# KiCad board panel.kicad_pcb (continued)
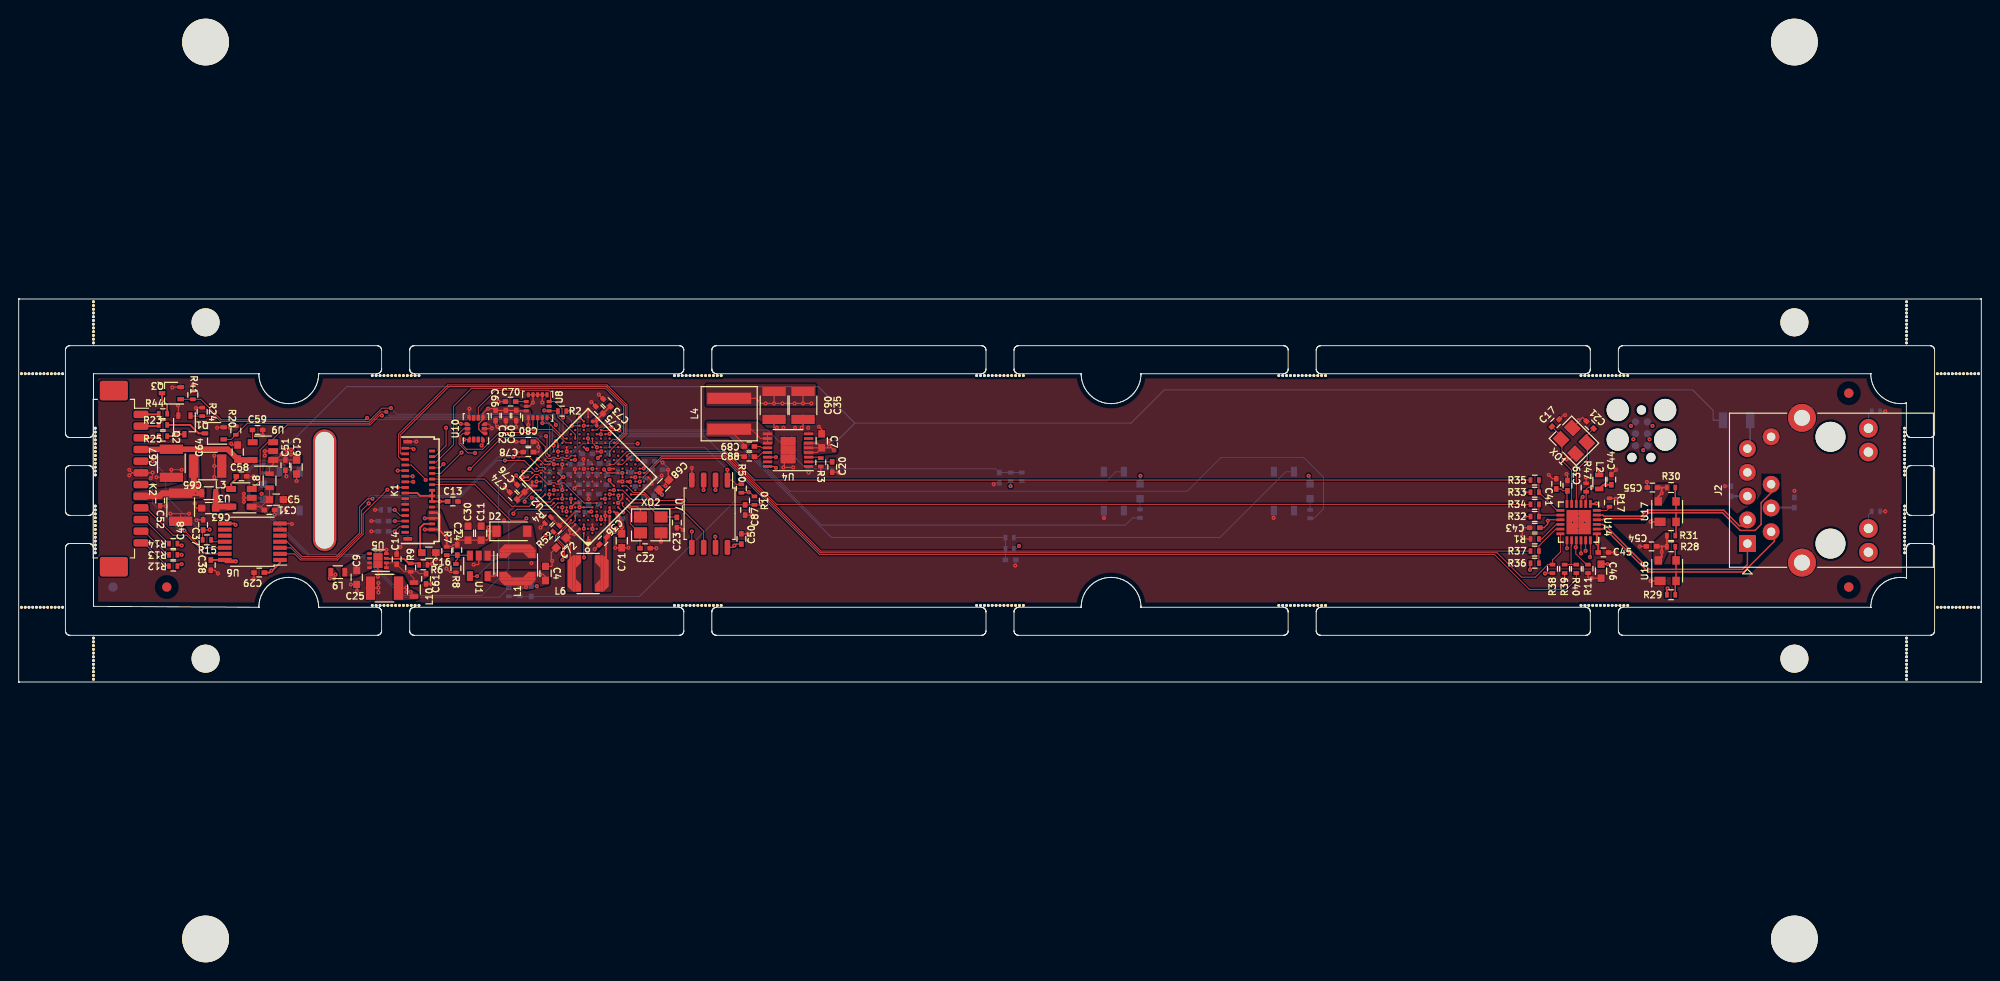
[diagram p0: board, top side]
## Routing (per net, layer and track width the routed paths; a pad name or vN(x,y) marks a point on that pad's centre or on a via; arc(x,y) is an arc through that point) (continued)
Board_0-+5V: length 12.4
  Top w0.6: U9.5 23.54,23.77 C64.1 23.41,23.87 22.36,24.92 C67.2 16.31,24.89 K2.4
Board_0-+12V: length 23.8
  Top w0.125: v1(50.28,16.53) v1(50.28,15.93) ; v1(50.28,15.93) 50.48,16.13 D2.1 ; v1(50.28,15.93) 50.28,15.36 50.1,15.18 C11.1 C30.1 47.1,15.18 46.94,15.02 C24.1 46.5,14.68 46.3,14.48 R7.1 ; v1(42.26,24.93) 42.16,25.03 41.36,25.03 K1.31
  Top w0.2: 45.06,17.53 45.06,16.43 44.96,16.33 ; 45.06,17.53 v1(43.46,17.53) ; 45.06,17.53 45.06,17.83 44.76,18.13 44.24,18.13 ; 44.96,16.33 45.81,15.48 R7.1 ; 44.96,16.33 v1(43.46,16.33)
  POWER.cu w0.125: v1(42.26,24.93) 42.26,23.23 42.96,22.53 42.96,19.63 43.46,19.13 v1(43.46,17.53)
Board_0-+15: length 179.4
  Top w0.091: C19.1 C51.2 U9.1 27.24,23.32 ; 27.24,23.32 26.84,22.92 26.84,22.37 ; 27.24,23.32 27.24,23.46 v1(28.15,24.37)
  Top w0.125: C7.2 85.44,24.57 U4.4 ; C7.2 85.44,25.57 U4.6 ; C7.2 U4.5 ; C7.2 86.59,25.07 v1(86.74,25.22) ; v1(87.24,24.82) 86.74,25.32 v1(86.74,25.82)
  Bottom w0.125: 89.49,27.72 119.04,27.72 122.59,31.27 179.14,31.27 181.34,29.07 181.34,28.02 F1.2 ; 89.49,27.72 85.58,31.63 35.12,31.63 28.15,24.66 v1(28.15,24.37) ; 89.49,27.72 87.59,25.82 v1(86.74,25.82) v1(86.74,25.22) 87.14,24.82 v1(87.24,24.82)
  vias: v1(28.65,24.87) v1(28.65,24.37) v1(29.15,24.87) v1(29.15,24.37)
Board_0-/CIS_ADC_1: length 70.3
  Top w0.091: U2.R3 66.87,22.84 v1(66.9,22.87) ; v1(17.44,14.62) 17.19,14.62 R14.1
  In1.Cu w0.091: v1(17.44,14.62) 30.94,14.62 32.34,13.22 34.12,13.22 35.54,14.64 35.54,21.41 45.95,31.82 63.04,31.82 67.04,27.82 67.04,23.01 v1(66.9,22.87)
  Bottom w0.091: C28.2 66.9,23.53 v1(66.9,22.87)
Board_0-/CIS_ADC_2: length 70.2
  Top w0.091: v1(17.44,13.62) R13.1 ; U2.P3 v1(66.44,22.38)
  In1.Cu w0.091: v1(17.44,13.62) 20.53,13.62 21.03,14.12 30.74,14.12 32.14,12.72 34.35,12.72 36.04,14.41 36.04,21.21 46.05,31.22 62.29,31.22 65.64,27.87 65.64,23.18 v1(66.44,22.38)
  Bottom w0.091: C27.2 67.34,22.72 67,22.38 v1(66.44,22.38)
Board_0-/CIS_ADC_3: length 70
  Top w0.091: v1(17.44,12.62) 17.19,12.62 R12.1 ; U2.N2 66.45,21.46 v1(66.46,21.46)
  In1.Cu w0.091: v1(17.44,12.62) 20.44,12.62 21.44,13.62 30.49,13.62 31.89,12.22 34.55,12.22 36.54,14.21 36.54,21.01 46.15,30.62 61.54,30.62 65.04,27.12 65.04,22.35 65.93,21.46 v1(66.46,21.46)
  Bottom w0.091: v1(66.46,21.46) 66.82,21.82 C26.2
Board_0-/CIS_CP: length 36.1
  Top w0.091: v1(37.86,19.62) 37.35,19.62 36.49,18.76 36.49,15.96 33.96,13.43 30.33,13.43 28.74,15.02 U6.4 ; U2.D13 56.34,22.38 56.05,22.67 55.71,22.67 55.58,22.54 55.26,22.54 54.08,23.72 v1(52.04,23.72)
  Bottom w0.091: v1(37.86,19.62) 38.03,19.8 47.27,19.8 51.19,23.72 v1(52.04,23.72)
Board_0-/CIS_CP_TTL: length 1.6
  Top w0.091: U6.11 20.79,15.02 R15.2
Board_0-/CIS_LED_B: length 46.4
  Top w0.091: v1(55.55,23.87) 55.68,23.87 56.25,23.3 U2.E14 ; v1(37.29,28.27) 37.08,28.06 21.69,28.06 19.48,30.27 R41.2 Q3.1
  Bottom w0.091: v1(37.29,28.27) 37.44,28.12 56.14,28.12 56.8,27.46 56.8,25.12 v1(55.55,23.87)
Board_0-/CIS_LED_G: length 43.6
  Top w0.091: v1(59.17,27.42) 60,27.42 U2.N15 ; Q2.1 18.44,28.47 R24.2 21.03,28.47 21.62,27.88 37.45,27.88 38.88,29.32 v1(39.84,29.32)
  Bottom w0.091: v1(59.17,27.42) 59.17,27.9 58.41,28.66 40.49,28.66 v1(39.84,29.32)
Board_0-/CIS_LED_R: length 40.7
  Top w0.091: 57.72,25.35 57.72,25.55 v1(57.48,25.79) ; 57.72,25.35 57.72,25.34 U2.H15 57.72,25.35 ; Q1.1 22.74,25.97 R20.2 24.47,27.7 37.52,27.7 38.74,28.92 v1(39.34,28.92)
  Bottom w0.091: v1(39.34,28.92) 39.77,28.48 57.07,28.48 57.84,27.71 57.84,26.16 v1(57.48,25.79)
Board_0-/CIS_RS: length 32.5
  Top w0.091: v1(39.46,20.59) 36.86,17.99 36.86,15.81 34.11,13.06 30.18,13.06 29.52,13.72 U6.2 ; U2.B15 54.83,22.51 v1(54,22.51)
  In1.Cu w0.091: v1(54,22.51) 53.97,22.48 53.09,22.48 53.04,22.43 41.36,22.43 39.52,20.59 v1(39.46,20.59)
Board_0-/CIS_RS_TTL: length 11
  Top w0.091: K2.9 13.61,18.64 16.54,15.72 17.98,15.72 19.98,13.72 U6.13
Board_0-/CIS_SP: length 35.7
  Top w0.091: U2.D14 56.21,22.97 55.75,22.97 54.62,24.1 v1(52.91,24.1) ; v1(37.46,19.13) 36.67,18.35 36.67,15.89 34.03,13.25 30.25,13.25 29.13,14.37 U6.3
  Bottom w0.091: v1(37.46,19.13) 37.46,19.74 37.7,19.98 47.2,19.98 51.32,24.1 v1(52.91,24.1)
Board_0-/CIS_SP_TTL: length 12.9
  Top w0.091: K2.7 13.11,21.12 v1(14.34,21.12) ; v1(17.74,16.22) 19.59,14.37 U6.12
  Bottom w0.091: v1(14.34,21.12) 14.34,19.12 17.24,16.22 v1(17.74,16.22)
Board_0-/CIS_VLED_B: length 1.9
  Top w0.2: K2.1 14.91,28.64 R44.1
Board_0-/CIS_VLED_G: length 2
  Top w0.2: R25.1 14.81,26.14 K2.3
Board_0-/CIS_VLED_R: length 2
  Top w0.2: K2.2 14.86,27.39 R23.1
Board_0-/DEBUG_RX: length 142.6
  Top w0.091: 59.56,17.55 59.56,17.32 59.26,17.02 59.07,17.02 57.64,15.58 57.64,15.35 58.42,14.56 58.42,14.49 58.42,13.61 v1(58.6,13.43) ; 59.56,17.55 59.56,17.55 U2.B5 ; 59.56,17.55 59.56,17.78
  In2.Cu w0.091: v1(174.84,27.42) 176.81,27.42 177.73,26.5 177.73,24.61 175.24,22.12 168.69,22.12 166.71,20.14 166.71,19.24 168.52,17.43 168.52,13.22 168.22,12.91 59.11,12.91 v1(58.6,13.43)
  Bottom w0.091: K3.1 174.72,27.42 v1(174.84,27.42)
Board_0-/DEBUG_TX: length 144
  Top w0.091: 59.1,17.32 U2.A5 ; 59.1,17.32 59.1,17.32 ; 59.1,17.32 59.1,17.32 57.44,15.65 57.44,15.29 57.53,15.2 58.24,14.49 58.24,13.68 58.24,13.53 58.24,13.53 58.24,13.31 58.19,13.26 v1(58.19,13.08)
  In1.Cu w0.091: v1(172.54,27.42) 172.92,27.8 175.25,27.8 175.5,27.55 177.2,27.55 178,26.75 178,25.05 175.25,22.3 167.44,22.3 165.82,20.67 165.82,15.83 166.99,14.65 166.99,14.27 166.26,13.53 65.13,13.53 64.58,12.98 58.28,12.98 v1(58.19,13.08)
  Bottom w0.091: K3.2 172.59,27.42 v1(172.54,27.42)
Board_0-/ETH_RST: length 111.2
  Top w0.091: 61.86,17.55 U2.D2 61.86,17.55 61.86,17.55 ; 61.86,17.55 v1(61.86,17.78) ; U14.15 166.69,14.47 v1(166.64,14.42) 166.64,13.72 167.79,12.57 R11.2
  In1.Cu w0.091: v1(166.64,14.42) 166.64,14.26 166.09,13.72 65.14,13.72 61.86,17 v1(61.86,17.78)
Board_0-/FMC_Ax: length 23
  Top w0.091: v1(53.24,22.12) 53.24,22.02 53.7,21.56 54.58,21.56 55.24,22.22 55.58,22.22 56.63,21.17 56.97,21.17 57.13,21.33 57.39,21.33 57.55,21.17 57.9,21.17 58.05,21.32 58.36,21.32 60.51,19.16 U2.F4 ; v1(42.22,21.43) 41.36,21.43 K1.19
  In1.Cu w0.091: v1(42.22,21.43) 43.04,22.25 53.11,22.25 v1(53.24,22.12)
Board_0-/FMC_D0: length 18.6
  Top w0.091: U2.H14 v1(57.72,24.68) ; K1.22 44.24,22.33 45.16,22.33 v1(47.39,24.56)
  In1.Cu w0.091: v1(57.72,24.68) 57.84,24.8 57.84,26.12 56.62,27.33 55.91,27.33 55.29,27.95 50.78,27.95 v1(47.39,24.56)
Board_0-/FMC_D1: length 23.1
  Top w0.091: v1(48.25,22.83) 48.35,22.83 51.67,26.15 55.39,26.15 56.35,25.19 56.35,24.26 56.7,23.92 56.97,23.92 57.12,24.07 57.41,24.07 57.56,23.92 57.87,23.92 58.02,24.07 58.32,24.07 58.47,23.92 58.84,23.92 59.14,24.22 U2.J12 ; 41.36,22.63 41.36,22.63 ; 41.36,22.63 K1.23 ; 41.36,22.63 v1(40.56,22.63)
  In1.Cu w0.091: v1(40.56,22.63) 48.05,22.63 v1(48.25,22.83)
Board_0-/FMC_D2: length 14.8
  Top w0.091: 44.24,22.93 44.24,22.93 ; 44.24,22.93 K1.24 ; 44.24,22.93 45.06,22.93 v1(45.46,23.33) ; v1(57.27,20.54) U2.C10
  In1.Cu w0.091: v1(57.27,20.54) 54.49,23.33 v1(45.46,23.33)
Board_0-/FMC_D3: length 17.5
  Top w0.091: v1(56.8,20.08) 56.8,19.85 ; 56.8,19.85 U2.A10 56.8,19.85 ; K1.25 41.36,23.23 42.01,23.23 43.56,21.68 v1(43.56,21.63)
  In1.Cu w0.091: v1(56.8,20.08) 45.1,20.08 v1(43.56,21.63)
Board_0-/FMC_D4: length 32.2
  Top w0.091: 44.24,23.53 44.24,23.53 ; 44.24,23.53 44.66,23.53 46.54,25.41 46.54,29.52 48.46,31.44 62.8,31.44 64.73,29.51 64.73,26.72 63.98,25.97 63.59,25.97 63.24,25.61 U2.P9 ; 44.24,23.53 K1.26
Board_0-/FMC_D5: length 37.2
  Top w0.091: 63.24,24.47 U2.N8 63.24,24.47 ; 63.24,24.47 63.24,24.72 65.09,26.57 65.09,29.66 62.95,31.8 45.92,31.8 45.59,31.47 40.64,26.52 40.64,24.13 40.94,23.83 41.36,23.83 K1.27
Board_0-/FMC_D6: length 24
  Top w0.091: U2.R11 62.82,26.56 v1(63.23,26.56) ; K1.28 44.28,24.13 44.28,24.13 ; v1(45.74,27.22) 45.74,25.31 44.55,24.13 44.28,24.13 ; 44.28,24.13 44.24,24.13
  In1.Cu w0.091: v1(45.74,27.22) 47.34,28.82 55.24,28.82 55.89,29.47 59.89,29.47 61.3,28.05 61.3,28.04 62.78,26.56 v1(63.23,26.56)
Board_0-/FMC_D7: length 34.1
  Top w0.091: K1.29 40.93,24.43 40.82,24.53 40.82,26.4 46.04,31.62 62.88,31.62 64.91,29.59 64.91,26.65 63.86,25.6 U2.R9
Board_0-/FMC_NEx: length 20.1
  Top w0.091: v1(52.94,18.02) 52.94,18.12 53.31,18.49 57.01,18.49 57.68,19.16 U2.B8 ; v1(40.56,20.83) 41.36,20.83 K1.17
  In1.Cu w0.091: v1(40.56,20.83) 43.37,18.02 52.94,18.02 v1(52.94,18.02)
Board_0-/FMC_NOE: length 20.7
  Top w0.091: v1(42.16,22.03) 41.36,22.03 K1.21 ; 58.18,19.86 U2.C9 58.18,19.86 ; 58.18,19.86 v1(58.18,19.64)
  In1.Cu w0.091: v1(42.16,22.03) 41.86,21.73 41.86,21.13 44.27,18.72 53.94,18.72 54.54,18.12 56.66,18.12 v1(58.18,19.64)
Board_0-/FMC_NWE: length 15
  Top w0.091: 44.24,21.73 49.83,21.73 52.74,18.82 54.64,18.82 55.09,19.27 56.9,19.27 57.26,19.62 U2.B9 ; 44.24,21.73 K1.20 ; 44.24,21.73 44.24,21.73
Board_0-/LED1: length 60.7
  Top w0.091: 60.12,28.26 v1(60.05,28.33) U2.P15 ; 60.12,28.26 U2.P15 ; 60.12,28.26 U2.P15
  Bottom w0.091: R18.2 25.35,23.27 24.73,22.65 24.73,19.99 31.07,13.65 36.87,13.65 41.25,9.27 49.55,9.27 52.45,12.17 52.45,18.24 53.88,19.67 54.47,19.67 54.77,19.37 55.07,19.37 56.24,20.53 56.24,23.06 57.1,23.92 58.45,23.92 59.8,25.27 59.8,27.79 60.05,28.04 v1(60.05,28.33)
Board_0-/LED2: length 62.2
  Top w0.091: v1(64.28,26.93) 62.36,26.93 U2.R12
  Bottom w0.091: R21.2 119.21,17.57 118.44,16.8 85.91,16.8 76.09,26.61 64.59,26.61 v1(64.28,26.93)
Board_0-/LED3: length 89.5
  Top w0.091: v1(62.3,26.52) U2.P12 v1(62.3,26.52)
  Bottom w0.091: v1(62.3,26.52) 62.3,26.87 63.09,27.65 64.06,27.65 64.92,26.8 76.17,26.8 82.55,20.42 125.04,20.42 128.64,24.02 137.54,24.02 139.64,21.92 139.64,18.56 138.6,17.52 R16.2
Board_0-/MEMS_CS: length 25.8
  Top w0.091: 60.48,16.64 U2.B3 60.48,16.64 ; 60.48,16.64 v1(60.48,16.42) ; U10.12 47.34,27.62 v1(47.31,27.64) ; U8.5 56.81,28.29 57.49,27.62 v1(57.49,27.52)
  In1.Cu w0.091: v1(60.48,16.42) 60.48,19.21 59.98,19.71 59.98,25.03 v1(57.49,27.52) 56.69,28.32 47.99,28.32 v1(47.31,27.64)
Board_0-/MEMS_FSYNC: length 25.5
  Top w0.091: 56.94,30.29 56.94,30.02 U8.8 57.38,30.02 58.15,29.25 58.15,28.42 v1(58.26,28.31) ; 56.94,30.29 56.94,30.17 ; 56.94,30.29 56.94,31.02 56.72,31.24 51.06,31.24 49.19,29.37 U10.9 ; 56.12,19.86 U2.A11 56.12,19.86 ; 56.12,19.86 55.98,19.72 v1(54.92,19.72)
  Bottom w0.091: v1(58.26,28.31) 58.26,25.73 56.05,23.51 56.05,20.85 v1(54.92,19.72)
Board_0-/MEMS_INT: length 23.6
  Top w0.091: U2.L14 59.56,26.28 59.56,26.28 ; 59.56,26.28 59.56,26.06 ; 59.56,26.28 59.56,26.51 58.98,27.08 57.7,28.37 R2.1 57.68,29.02 U8.6 56.29,29.02 v1(56.24,29.07) ; v1(49.54,25.32) 49.69,25.47 U10.4
  In1.Cu w0.091: v1(49.54,25.32) 49.13,25.32 47.63,23.82 47.04,23.82 46.44,24.42 46.44,27.52 47.42,28.5 55.67,28.5 v1(56.24,29.07)
Board_0-/MEMS_MISO: length 13.8
  Top w0.091: v1(47.67,25.95) U10.1 ; U2.K15 58.4,26.06 56.94,27.52 56.74,27.72 v1(56.04,27.72) U8.4
  In1.Cu w0.091: v1(47.67,25.95) 49.85,28.13 55.62,28.13 v1(56.04,27.72)
Board_0-/MEMS_MOSI: length 16.6
  Top w0.091: 59.1,25.6 58.56,25.6 57.84,26.32 57.12,27.04 55.54,27.04 ; 55.33,26.83 55.48,26.98 ; 55.33,26.83 55.54,27.04 ; 55.33,26.83 55.22,26.72 51.45,26.72 49.65,24.92 47.94,24.92 47.31,25.54 47.31,26.39 47.54,26.62 U10.14 ; 55.54,27.04 U8.3
Board_0-/MEMS_SCLK: length 25.2
  Top w0.091: U2.A9 57.26,19.16 56.96,18.87 v1(55.56,18.87) ; U10.13 47.64,27.12 47.13,26.61 47.13,25.46 48.08,24.52 v1(48.84,24.52) ; U8.2 55.04,27.1 v1(55.06,27.08)
  In1.Cu w0.091: v1(55.56,18.87) 56.18,18.87 57.64,20.33 57.64,21 55.06,23.58 v1(55.06,27.08) 53.9,27.08 51.34,24.52 v1(48.84,24.52)
Board_0-/OLED_RESET: length 22.6
  Top w0.091: K1.18 44.24,21.13 48.83,21.13 52.64,17.32 54.14,17.32 v1(54.34,17.52) ; v1(60.51,13.34) 60.48,13.37 60.48,15.6 ; 60.48,15.6 U2.A2 60.48,15.6
  In1.Cu w0.091: v1(54.34,17.52) 56.33,17.52 v1(60.51,13.34)
Board_0-/QSPI_CLK: length 12.7
  Top w0.091: U2.K3 64.61,20.54 65.64,19.52 67.21,19.52 68.16,18.57 70.89,18.57 73.3,16.15 U7.6
Board_0-/QSPI_IO0: length 11.7
  Top w0.091: 64.16,19.78 64.16,19.93 v1(64.19,19.97) ; 64.16,19.78 64.16,19.62 ; 64.16,19.78 64.15,19.78 U2.J2 ; U7.5 72.03,16.11 v1(72.03,16.11)
  In1.Cu w0.091: v1(64.19,19.97) 68.19,19.97 72.03,16.12 v1(72.03,16.11)
Board_0-/QSPI_IO1: length 13.1
  Top w0.091: v1(74.57,20.56) 74.57,20.56 U7.2 ; v1(63.7,20.54) U2.J4
  In1.Cu w0.091: v1(63.7,20.54) 68.14,20.54 69.03,21.43 73.69,21.43 v1(74.57,20.56)
Board_0-/QSPI_IO2: length 11.7
  Top w0.091: U7.3 73.3,20.56 v1(73.3,20.56) ; v1(63.25,20.08) U2.J3
  In2.Cu w0.091: v1(73.3,20.56) 64.23,20.56 63.76,20.08 v1(63.25,20.08)
Board_0-/QSPI_IO3: length 13.1
  Top w0.091: U7.7 74.57,15.53 v1(74.54,15.57) ; 64.34,18.52 64.68,18.18 v1(64.69,18.18) ; 64.34,18.52 64.16,18.7 ; 64.34,18.52 64.34,18.52 U2.H1
  In1.Cu w0.091: v1(64.69,18.18) 67.33,18.18 69.94,15.57 v1(74.54,15.57)
Board_0-/QSPI_nCS: length 19.1
  Top w0.091: R50.1 76.79,21.17 76.34,21.62 U7.1 75.84,21.62 v1(75.84,22.72) ; 61.4,25.83 U2.N12 61.4,25.83 ; 61.4,25.83 61.4,25.6 v1(61.88,25.12)
  Bottom w0.091: v1(75.84,22.72) 73.43,25.12 v1(61.88,25.12)
Board_0-/RMII_CRS_DV: length 102.3
  Top w0.091: U2.N6 64.61,23.3 65.59,24.28 75.59,24.28 85.85,14.02 R37.1
Board_0-/RMII_MDC: length 105.2
  Top w0.091: v1(165.69,14.32) U14.13 ; U2.L3 65.05,21 65.79,20.26 66.98,20.26 67.8,19.44 71.11,19.44 v1(71.14,19.42)
  In1.Cu w0.091: v1(165.69,14.32) 165.48,14.12 88.5,14.12 82.75,19.87 71.59,19.87 v1(71.14,19.42)
Board_0-/RMII_MDIO: length 107.5
  Top w0.091: U2.R2 67.04,22.38 68.76,24.1 75.51,24.1 85.77,13.84 158.22,13.84 160.83,11.23 162.3,11.23 163.64,12.57 R38.2 164.14,13.06 164.99,13.91 U14.12
Board_0-/RMII_REF_CLK: length 108
  Top w0.091: R40.2 166.69,10.97 165.64,9.92 161.66,9.92 157.92,13.65 85.7,13.65 75.44,23.92 68.84,23.92 66.84,21.92 U2.P2
Board_0-/RMII_RXD0: length 99.1
  Top w0.091: U2.R6 65.32,24.46 75.66,24.46 81.11,19.02 R34.1
Board_0-/RMII_RXD1: length 100.4
  Top w0.091: U2.M7 63.72,23.3 65.06,24.64 75.74,24.64 78.76,21.62 R35.1
Board_0-/RMII_TX_EN: length 115
  Top w0.091: v1(58.18,18.69) 58.18,18.47 ; 58.18,18.47 U2.A7 58.18,18.47 ; U14.16 v1(167.19,13.77)
  In2.Cu w0.091: v1(167.19,13.77) 166.51,13.09 61.46,13.09 58.18,16.38 v1(58.18,18.69)
Board_0-/RMII_TXD0: length 112.6
  Top w0.091: v1(58.62,18.26) 58.62,18.69 58.63,18.69 ; v1(167.69,14.04) U14.17 ; 58.63,18.69 U2.B7 58.63,18.69
  In2.Cu w0.091: v1(58.62,18.26) 59.96,16.92 161.57,16.92 163.47,15.02 166.98,15.02 167.69,14.31 v1(167.69,14.04)
Board_0-/RMII_TXD1: length 114.6
  Top w0.091: v1(168.16,13.37) 168.19,13.39 U14.18 ; v1(59.1,19.61) 59.1,19.39 ; 59.1,19.39 59.1,19.16 59.1,19.39
  In2.Cu w0.091: v1(59.1,19.61) 60.04,19.61 60.91,18.74 64.73,18.74 66.38,17.1 161.65,17.1 163.55,15.2 167.06,15.2 168.16,14.1 v1(168.16,13.37)
Board_0-/RST: length 121.8
  Top w0.091: v1(79.44,19.02) 79.39,18.97 R10.1 C87.2 68.02,18.97 66.9,20.08 U2.L1
  In1.Cu w0.091: v1(79.44,19.02) 84.54,13.92 165.84,13.92 166.14,14.22 166.14,15.25 165.64,15.75 165.64,20.75 169.11,24.22 171.71,24.22 173.47,25.97 v1(174.52,25.97)
  Bottom w0.091: K3.3 174.52,26.35 v1(174.52,25.97)
Board_0-/RX_N: length 26.3
  Top w0.15: U14.22 169.52,17.37 169.64,17.48 173.79,17.48 174.43,18.12 177.33,18.12 ; 177.33,18.12 182.34,18.12 182.89,17.57 183.19,17.26 184.23,16.23 185.82,16.23 186.47,16.88 186.47,19.19 187.89,20.61 187.89,21.15 ; 177.33,18.12 177.36,18.09 U17.2 177.36,15.76 R31.2
Board_0-/RX_P: length 20.2
  Top w0.15: R30.2 177.28,19.42 U17.3 177.36,18.4 ; 177.36,18.4 177.35,18.39 174.31,18.39 173.67,17.76 169.64,17.76 169.52,17.87 U14.23 ; 177.36,18.4 177.37,18.39 182.46,18.39 184.14,16.72 184.72,16.72 185.35,17.34
Board_0-/SW_1: length 49.7
  Top w0.091: U2.P14 v1(60.48,27.44)
  Bottom w0.091: R26.1 R42.2 C53.1 104.55,22.82 84.3,22.82 80.14,26.98 65,26.98 64.14,27.84 63.01,27.84 62.61,27.44 v1(60.48,27.44)
Board_0-/SW_2: length 51.7
  Top w0.091: U2.P13 61.9,26.98 62.21,27.29 v1(63.46,27.29)
  Bottom w0.091: v1(63.46,27.29) 63.46,27.22 64.26,26.43 76.02,26.43 86.98,15.47 R27.1 R43.2 C56.1
Board_0-/SW_3: length 50
  Top w0.091: v1(60.92,26.08) 60.94,26.06 U2.M12
  Bottom w0.091: R19.1 R22.2 C42.1 66.45,9.17 76.65,19.37 76.65,23.07 73.47,26.25 64.27,26.25 63.73,25.71 61.29,25.71 v1(60.92,26.08)
Board_0-/SWD-CLK: length 127.5
  Top w0.091: v1(54.15,19.32) 54.15,19.52 55.17,20.54 U2.A12
  In2.Cu w0.091: v1(66.24,25.52) 82.53,25.52 83.74,24.32 171.64,24.32 172.79,25.47 v1(172.79,25.97)
  Bottom w0.091: v1(54.15,19.32) 54.3,19.17 55.35,19.17 56.42,20.24 56.42,22.95 57.21,23.74 58.52,23.74 60.3,25.52 v1(66.24,25.52) ; v1(172.79,25.97) 172.79,26.35 K3.4
Board_0-/SWD-IO: length 122
  Top w0.091: v1(55.42,21.46) U2.B13
  In2.Cu w0.091: v1(173.84,24.82) 173.84,23.72 173.34,23.22 165.65,23.22 164.15,21.72 67.28,21.72 66.56,21 60.15,21 59.69,21.46 v1(55.42,21.46)
  Bottom w0.091: v1(173.84,24.82) 173.84,24.85 K3.5
Board_0-/TX_N: length 25.8
  Top w0.15: 187.89,16.07 187.89,15.07 184.6,11.78 177.37,11.78 ; U14.20 169.52,16.37 169.64,16.48 169.68,16.48 174.38,11.78 177.37,11.78 ; 177.37,11.78 177.36,11.77 U16.2 177.28,10.73 R29.2
Board_0-/TX_P: length 23.1
  Top w0.15: J2.1 185,12.57 184.48,12.06 177.34,12.06 ; U14.21 169.53,16.87 169.64,16.76 169.8,16.76 174.5,12.06 177.39,12.06 177.36,12.09 U16.3 177.28,13.1 R28.2
Board_0-AVDD: length 23.6
  Top w0.2: 18.84,20.22 v1(18.94,20.22) L3.1 ; 18.84,20.22 C48.2 17.09,19.97 C52.1 15.04,19.97 14.96,19.89 K2.8 ; 18.84,20.22 18.74,20.32 C65.2 ; U6.14 C38.1
  Top w0.4: v1(18.44,21.12) 18.54,21.02 v1(19.14,21.02) 18.94,20.82 v1(18.94,20.22) ; U6.14 22.21,12.92 v1(23.24,12.92)
  Top w0.6: v1(18.94,20.22) C48.2 15.39,20.22 C52.1 15.06,19.89 K2.8 ; v1(18.94,20.22) L3.1 ; v1(18.94,20.22) 18.74,20.42 C65.2
  vias: v1(33.3,11.1) v1(33.75,11.1) v1(33.9,11.5)
Board_0-GND: length 129.5
  Top w0.091: 12.16,22.39 v1(11.84,22.72) ; 12.16,22.39 K2.6 ; 12.16,22.39 12.11,22.39 v1(11.84,22.12) ; C19.2 v1(29.74,21.52) ; 41.64,25.73 42.54,25.73 v1(42.55,25.74) ; v1(29,19.55) 28.97,19.52 C5.2 ; v1(20.94,23.12) v1(20.94,24.22) ; v1(20.94,23.12) C65.1 ; v1(20.94,23.12) v1(20.94,21.92) ; C58.2 v1(25.14,22.02) ; C52.2 15.69,18.87 v1(15.74,18.82) ; v1(17.44,22.72) v1(16.34,22.72) C67.1 v1(14.74,21.92) ; U3.2 v1(24.1,19.72) ; v1(24.1,19.72) v1(24.1,20.15) ; v1(24.1,19.72) v1(24.1,19.3) ; C31.1 27.4,18.4 v1(27.4,17.92) ; C64.2 22.89,25.37 v1(22.75,25.5) ; v1(16.24,18.02) 17.34,18.02 ; 17.34,18.02 v1(18.24,18.02) ; 17.34,18.02 C48.1 ; U10.7 50.3,27.62 50.64,27.28 v1(50.64,27.15) 50.6,27.12 U10.6 ; C51.1 28.54,22.02 ; C87.1 78.39,17.87 v1(78.44,17.92) ; v1(26.34,24.72) U9.2 26.34,24.72 v1(26.34,24.24) ; v1(14.34,22.42) 14.34,22.02 v1(14.14,21.82)
  Top w0.125: v1(167.71,21.89) 167.74,21.87 R47.1 ; v1(165.49,28.57) 165.3,28.57 C17.2 ; v1(83.79,27.22) 83.94,27.37 C35.1 ; U4.17 U4.17 U4.17 U4.17 U4.17 U4.17 81.94,23.07 v1(81.84,22.97) v1(82.89,22.97) ; Q1.2 21.29,27.27 v1(21.24,27.22) ; U8.10 v1(56.04,29.92) ; U8.10 U8.9 ; U8.10 U8.11 U8.12 ; v1(35.55,10.45) C9.1 36.2,10.42 v1(36.2,9.75) ; 43.75,12.65 v1(44.25,12.65) ; C39.2 165.74,22.17 v1(165.64,22.27) ; v1(174.24,21.42) 174.28,21.37 C55.2 ; C72.1 57,13.85 57,13.06 v1(57.09,12.97) 57.09,12.46 57.01,12.38 C4.1 ; v1(81.14,27.22) 80.85,27.22 80.84,27.23 C90.1 ; U8.12 U8.13 ; U8.12 v1(55.04,29.92) 54.64,29.52 U8.15 ; C76.2 v1(52.84,21.62) ; v1(14.34,22.42) 14.31,22.39 K2.6 ; v1(85.84,22.27) R3.2 ; v1(65.32,18.77) 66.18,18.77 66.54,18.42 XO2.4 ; v1(174.63,17.17) 174.66,17.14 U17.1 ; 84.49,26.62 U4.8 ; C66.2 51.04,27.52 v1(51.24,27.32) ; v1(25.14,11.02) 25.19,11.07 C29.2 ; U2.C2 v1(61.4,16.39) ; v1(48.24,29.25) 48.19,29.2 U10.11 ; v1(59.11,18.7) 59.57,19.16 U2.D6 ; C61.1 v1(44.15,10.5) ; C78.2 v1(53.24,24.62) ; v1(40.85,14.45) 40.45,14.05 C14.2 ; U2.F12 58.18,23.29 v1(58.18,23.29) ; v1(71.08,16.28) 70.84,16.52 C23.1 ; XO1.4 166.94,27.87 v1(166.94,28.02) 167.05,28.02 167.36,28.33 C21.2 ; v1(45.78,12.13) 46.18,11.73 46.68,11.73 ; C80.2 v1(53.24,25.72) ; v1(65.99,21.92) 65.98,21.92 U2.N3 ; v1(69.21,21) 69.21,21.29 69.5,21.58 v1(69.5,22.72) ; v1(58.18,20.55) 58.18,20.55 U2.D10 ; 56.13,16.81 R4.2 56.13,16.81 ; 56.13,16.81 v1(55.84,16.52) ; v1(53.24,27.32) C60.1 ; C41.1 164.14,21.77 v1(163.74,22.17) ; Q3.2 16.49,31.57 v1(16.44,31.52) ; C54.2 v1(173.48,14.52) ; 59.56,22.38 59.56,22.76 v1(59.53,22.79) ; v1(65.25,14.37) C71.1 v1(63.85,14.37) ; U2.F8 59.74,21 v1(59.47,20.73) ; v1(22.64,27.22) 22.79,27.37 R20.1 ; U2.F6 60.94,19.63 v1(60.99,19.58) ; v1(38.5,10.1) 38.45,10.05 C25.1 ; v1(38.5,10.1) v1(38.5,9.6) ; v1(38.5,10.1) v1(38.5,10.6) ; v1(170.78,13.86) 170.77,13.87 C45.2 ; C43.2 160.92,16.52 160.91,16.53 v1(160.91,15.56) 161.15,15.32 R1.2 ; R11.1 167.94,11.22 168.04,11.12 168.34,11.12 v1(168.34,11.12) C46.2 ; U2.J14 58.64,24.68 v1(58.66,24.66) ; v1(170.94,19.62) 170.89,19.67 R17.1 ; v1(85.64,27.32) 85.94,27.02 C7.1 ; U2.E1 62.78,17.78 v1(62.79,17.79) 62.78,17.8 U2.F2 ; C38.2 20.99,11.97 v1(21.34,11.62) ; U2.R1 67.72,21.57 v1(67.72,21.23) ; U1.2 49.24,12.62 49.19,12.57 v1(48.69,12.57) ; C75.2 61.52,29.74 61.52,29.74 v1(61.29,29.97) ; U2.K2 64.61,19.65 v1(64.15,19.18) ; U6.7 29.19,16.97 v1(29.24,16.92) ; v1(76.89,24.27) 77.5,24.27 C88.1 ; U2.A15 54.5,21.92 v1(53.94,21.92) ; v1(60.94,29.17) U2.R15 ; 52.32,20.54 52.32,20.54 C74.2 52.32,20.54 ; 52.32,20.54 v1(52.04,20.82) ; v1(51.34,30.02) C70.1 ; U5.9 38.45,13.6 ; U2.M10 61.87,24.67 v1(62.33,24.67) ; U16.1 v1(174.63,10.82) ; 166.61,24.44 166.02,23.84 v1(165.65,23.84) ; v1(61.02,15.1) 60.94,15.19 U2.A1 ; R41.1 v1(18.64,31.82) ; v1(60.44,23.85) 60.48,23.81 U2.J10 ; v1(38.43,11.28) 38.45,11.3 U5.9 ; v1(38.2,14.1) v1(38.7,14.1) ; v1(19.04,17.32) 19.09,17.37 C37.1 ; v1(68.24,14.32) C22.2 ; v1(39.35,14.15) U5.4 ; v1(87.76,22.43) 87.72,22.47 C20.1 ; v1(52.14,27.32) C62.2 ; R24.1 19,29.37 v1(18.97,29.33) ; v1(72.04,22.92) 72.03,22.91 U7.4 ; v1(44.65,13.15) 44.65,13.15 C16.2 ; v1(170.94,22.72) 170.44,22.22 C44.2 ; v1(63.21,22.79) 63.26,22.84 63.7,22.84 ; Q2.2 17.09,29.57 v1(17.04,29.62) ; C63.2 19.04,18.62 18.84,18.82 v1(18.84,19.12) ; v1(26.12,26.42) C59.2 ; C73.2 v1(62.09,30.77) ; v1(68.74,15.02) XO2.2 ; C50.2 v1(78.04,15.87) ; C36.2 v1(61.64,14.22)
  Top w0.2: v1(64.6,21.46) 64.16,21.46 64.16,21.46
  Bottom w0.091: v1(116.14,17.57) 116.14,18.34 SW1.2 ; 68.78,23.62 v1(68.91,23.49) ; C42.2 v1(55.45,10.27) ; C53.2 104.5,21.32 v1(104.35,21.17) ; v1(106.65,12.47) 106.7,12.52 C56.2 ; C26.1 68.72,21.82 68.8,21.9 v1(68.8,22.1) ; SW3.2 28.5,18.35 v1(28.55,18.4) ; v1(134.3,17.57) 134.32,17.59 SW2.2 ; R49.2 v1(199.75,28.97) ; R48.2 v1(199.75,18.27)
  Bottom w0.125: C27.1 v1(69.5,22.72) 69.5,22.9 68.78,23.62 C28.1 ; v1(58.18,20.55) 57.94,20.79 C79.2 ; C83.1 67.99,20.64 68.35,21 v1(69.21,21) ; v1(67.72,21.23) 67.4,20.92 C84.2 66.99,20.92 ; 116.14,17.62 116.16,17.64 ; 134.14,17.62 134.16,17.64 ; C47.2 v1(182.59,20.97) ; v1(60.99,19.58) C6.2
  Bottom w0.2: C15.2 v1(37.74,17.23) ; C18.2 v1(37.74,16.13) ; R5.1 v1(38.14,18.43)
  vias: v1(28.65,22.02) v1(51.94,17.32) v1(54.88,12.73) v1(60.49,22.82) v1(81.84,27.22) v1(83.09,27.22) v1(84.49,27.22) v1(84.54,22.42) v1(166.29,17.09) v1(166.94,17.77) v1(166.91,16.47) v1(167.59,17.09) v1(190.04,20.47)
Board_0-Net-(C14-Pad1): length 6.5
  Top w0.091: R9.1 41.25,11.8 C14.1 40.3,12.75 U5.2 U5.1 ; R9.1 42.65,11.8 42.85,11.6 C61.2 ; R9.1 41.95,11.45 42.3,11.1 L10.2
Board_0-Net-(C89-Pad2): length 8
  Top w0.091: U4.10 U4.11 ; U4.10 79.39,26.07 78.39,27.06 L4.1 77.64,25.46 C89.2 ; U4.10 U4.9
Board_0-Net-(D1-K): length 1.2
  Bottom w0.091: D1.1 R16.1
Board_0-Net-(D2-A): length 1.7
  Top w0.091: L1.2 51.78,13.53 U1.1
Board_0-Net-(D3-K): length 1.2
  Bottom w0.091: D3.1 R18.1
Board_0-Net-(D4-K): length 1.1
  Bottom w0.091: R21.1 D4.1
Board_0-Net-(J2-LLED+): length 36.7
  Top w0.091: U14.3 167.19,19.63 v1(167.37,19.82)
  In2.Cu w0.091: J2.11 197.95,13.56 195.11,10.72 176.47,10.72 v1(167.37,19.82)
Board_0-Net-(J2-LLED-): length 2
  Bottom w0.091: J2.12 197.95,17.92 R48.1
Board_0-Net-(J2-RLED+): length 33.6
  Top w0.091: v1(168.34,20.82) 168.29,20.86 167.98,20.86 167.74,20.62 R47.2 167.74,19.12 U14.2
  In2.Cu w0.091: J2.13 197.01,23.68 178.5,23.68 175.54,20.72 168.44,20.72 v1(168.34,20.82)
Board_0-Net-(J2-RLED-): length 2
  Bottom w0.091: J2.14 197.95,28.62 R49.1
Board_0-Net-(J2-V+): length 3.1
  Bottom w0.2: F1.1 185.29,25.02 185.35,24.96
Board_0-Net-(K1-IREF): length 1.9
  Top w0.091: 41.36,17.83 K1.7 ; 41.36,17.83 40.84,17.83 v1(40.24,18.43) ; 41.36,17.83 41.36,17.83
  Bottom w0.2: v1(40.24,18.43) R5.2
Board_0-Net-(K1-VCOMH): length 4.2
  Top w0.091: 44.23,16.93 K1.4
  Top w0.2: C16.1 42.97,14.03 42.97,16.53 43.36,16.93 44.24,16.93
Board_0-Net-(K1-VLOGIC): length 1.8
  Top w0.091: 41.36,17.23 41.36,17.23 ; 41.36,17.23 v1(40.26,17.23) ; 41.36,17.23 K1.5
  Bottom w0.091: v1(40.26,17.23) C15.1
Board_0-Net-(K1-VP): length 2
  Top w0.091: 41.36,16.63 K1.3 ; 41.36,16.63 41.36,16.63 ; 41.36,16.63 40.74,16.63 v1(40.24,16.13)
  Bottom w0.2: v1(40.24,16.13) C18.1
Board_0-Net-(K2-Pin_5): length 13.5
  Top w0.091: v1(14.34,23.62) 13.11,23.62 K2.5 ; v1(20.44,16.32) 20.39,16.27 C37.2 19.69,16.22 R15.1
  Bottom w0.091: v1(14.34,23.62) 15.74,22.22 15.74,19.9 19.32,16.32 v1(20.44,16.32)
Board_0-Net-(K2-Pin_10): length 4.1
  Top w0.091: R14.2 16.04,14.82 13.46,17.39 K2.10
Board_0-Net-(K2-Pin_11): length 4
  Top w0.091: K2.11 13.41,16.14 15.94,13.62 R13.2
Board_0-Net-(K2-Pin_12): length 4
  Top w0.091: K2.12 13.41,14.89 15.89,12.42 R12.2
Board_0-Net-(Q1-D): length 4.4
  Top w0.2: R23.2 18.35,27.52 19.25,26.62 Q1.3
Board_0-Net-(Q2-D): length 1.9
  Top w0.2: R25.2 16.54,26.32 16.73,26.52 Q2.3
Board_0-Net-(Q3-D): length 2.4
  Top w0.2: Q3.3 15.34,30.22 15.89,29.67 R44.2
Board_0-Net-(R19-Pad2): length 42
  Bottom w0.091: SW3.3 29.11,22.5 27.94,23.67 25.49,23.67 24.55,22.72 24.55,19.91 30.99,13.47 36.75,13.47 41.13,9.09 51.47,9.09 R19.2
Board_0-Net-(R26-Pad2): length 11.3
  Bottom w0.091: R26.2 116.44,21.52 117.43,22.5 SW1.3
Board_0-Net-(R27-Pad2): length 32.9
  Bottom w0.091: SW2.3 135.58,22.5 128.55,15.47 R27.2
Board_0-Net-(U1-FB): length 3.5
  Top w0.091: C24.2 46.94,13.12 46.79,12.97 R8.1 ; C24.2 R7.2 ; C24.2 48.24,13.58 U1.3
Board_0-Net-(U2-BOOT0): length 4.3
  Top w0.091: R52.2 58.05,16.93 ; R52.2 58.05,16.93 ; R52.2 R4.1 ; 58.05,16.93 58.24,17.12 58.43,17.12 59.55,18.24 U2.C5
Board_0-Net-(U2-PDR_ON): length 1.1
  Top w0.091: U2.D4 60.94,18.25 v1(61.27,18.25)
  Bottom w0.2: v1(61.27,18.25) 61.14,18.12 R53.2
Board_0-Net-(U2-PH0): length 5.9
  Top w0.091: 64.61,18.97 64.61,18.88 65.45,18.05 65.45,16.95 66.43,15.97 XO2.1 66.49,15.92 C22.1 ; 64.61,18.97 U2.J1 64.61,18.97
Board_0-Net-(U2-PH1): length 6.6
  Top w0.091: 65.3,19.39 65.53,19.17 67.09,19.17 68.59,17.67 XO2.3 70.39,17.67 ; 65.3,19.39 U2.K1 65.3,19.39 ; 70.39,17.67 C23.2 ; 70.39,17.67 70.44,17.67
Board_0-Net-(U2-VDDA): length 0.5
  Top w0.091: 64.6,21.93 U2.M4 64.6,21.93 ; 64.6,21.93 64.6,22.37 v1(64.6,22.38)
Board_0-Net-(U2-VDDSMPS): length 4.5
  Top w0.125: U2.G1 63.79,18.15 63.91,18.15 v1(64.04,18.02)
  Top w0.2: C71.2 64.54,16.55 v1(64.55,16.56) 64.3,16.81 64.3,17.76 v1(64.04,18.02)
  Bottom w0.2: v1(64.04,18.02) 64.44,17.62 L5.1 64.44,16.67 v1(64.55,16.56)
Board_0-Net-(U2-VFBSMPS): length 14.8
  Top w0.125: L6.1 59.02,14.99 C72.2 ; 59.56,16.84 U2.A4 58.99,16.29 v1(58.99,16.27) 58.99,15.84 C72.2 ; U2.A3 59.44,15.82 v1(59.44,15.82) 58.97,15.82 C72.2
  Top w0.2: 54.96,21.46 54.96,21.14 54.82,21 ; 54.82,21 54.15,20.33 C76.1 C74.1 ; 54.82,21 U2.A13 ; C73.1 C75.1 61.86,28.06 ; U2.R13 61.86,28.04 v1(61.92,28.1) 61.71,27.9 U2.R14 ; U2.G2 63.24,18.7 v1(63.24,18.22) ; 59.56,16.86 59.56,16.84 ; U2.A3 60.02,16.4
  Top w0.4: U2.R14 61.42,27.9
  vias: v1(54.74,20.92)
Board_0-Net-(U2-VLXSMPS): length 8.7
  Top w0.091: U2.F1 63.24,17.73 63.22,17.72 63.22,15.8 C36.1
  Top w0.2: U2.F1 63.24,15.82 C36.1 62.86,15.44 L6.2
Board_0-Net-(U3-BPASS): length 1.6
  Top w0.2: U3.4 22.74,21.22 23.29,21.77 C58.1
Board_0-Net-(U3-Vin): length 4
  Top w0.091: 25.94,18.77 C31.2 ; 25.94,18.77 26.69,19.52 C5.1 26.84,19.54 26.84,20.87 ; 25.94,18.77 U3.1
Board_0-Net-(U3-Vout): length 3.3
  Top w0.6: U3.5 21.24,18.77 C63.1 L3.2
Board_0-Net-(U4-BST): length 1.5
  Top w0.091: C89.1 79.36,25.22 79.51,25.07 U4.12
Board_0-Net-(U4-INTVcc): length 1.6
  Top w0.091: U4.13 79.6,24.57 79.16,24.13 C88.2
Board_0-Net-(U4-RT): length 1.3
  Top w0.091: U4.3 85.74,24.07 R3.1
Board_0-Net-(U4-TR/SS): length 2.5
  Top w0.091: U4.2 C20.2
Board_0-Net-(U5-ADJ): length 3.7
  Top w0.2: U5.3 39.4,13.2 41.25,13.2 41.75,12.7 R9.2 42.8,12.7 42.85,12.65
Board_0-Net-(U8-REGOUT): length 1.1
  Top w0.091: U8.14 C70.2
Board_0-Net-(U9-BPASS): length 1.3
  Top w0.091: U9.4 25.04,26.97 C59.1
Board_0-Net-(U14-CRS_DV/MODE2): length 4.9
  Top w0.091: U14.11 164.49,16.37 162.69,14.57 R37.2 R36.2
Board_0-Net-(U14-nINT/REFCLKO): length 3.9
  Top w0.091: 166.13,12.57 166.13,14.54 166.19,14.61 U14.14 ; 166.13,12.57 R39.2 ; 166.13,12.57 R40.1
Board_0-Net-(U14-RBIAS): length 1.6
  Top w0.091: U14.24 169.94,18.37 170.24,18.67 R17.2
Board_0-Net-(U14-RXD0/MODE0): length 3.7
  Top w0.091: R34.2 R32.2 162.84,17.87 U14.8
Board_0-Net-(U14-RXD1/MODE1): length 4.4
  Top w0.091: R35.2 R33.2 164.64,18.37 U14.7
Board_0-Net-(U14-RXER/PHYAD0): length 2.9
  Top w0.091: R1.1 162.99,15.32 164.54,16.87 U14.10
Board_0-Net-(U14-VDD1A): length 59.2
  Top w0.091: 168.89,13.72 168.89,14.02 C45.1 ; v1(169.84,21.12) 169.59,21.12 ; C54.1 176.34,14.52 ; R30.1 C55.1
  Top w0.2: U14.1 168.79,19.07 v1(168.84,19.12) ; U17.4 175.46,19.85 v1(175.83,20.22) 175.83,20.82 ; U14.19 168.89,14.87 v1(168.94,14.82) 169.04,14.72 C45.1 ; C55.1 175.83,20.82 ; 175.83,20.82 R30.1 ; U16.4 175.83,13.39 v1(175.83,13.92) 175.83,14.52 ; 175.83,14.52 176.34,14.52 R28.1 R31.1 ; 175.83,14.52 C54.1 ; v1(169.84,21.12) C44.1 ; L2.2 169.59,21.12 ; C46.1 v1(170.04,12.62) ; R29.1 176.38,9.95 v1(176.46,10.03)
  In1.Cu w0.2: J2.4 186.27,18.63 J2.5 178.16,19.9 177.84,20.22 v1(175.83,20.22) 172.44,20.22 171.54,21.12 v1(169.84,21.12) 169.84,20.82 168.84,19.82 v1(168.84,19.12) 168.84,14.92 v1(168.94,14.82) 168.94,13.72 v1(170.04,12.62) 174.47,12.62 ; v1(175.83,13.92) 175.77,13.92 174.47,12.62 ; 174.47,12.62 176.46,10.63 v1(176.46,10.03)
  Bottom w0.2: 185.35,19.88 183.25,19.88 C47.1 184.97,19.87 J2.5 ; 187.94,18.67 C49.1 ; 187.94,18.67 187.89,18.61 ; 187.94,18.67 187.58,18.67 J2.4
Board_0-Net-(U14-VDDCR): length 2.7
  Top w0.091: C41.2 165.05,20.67 165.25,20.47 165.69,20.47 ; 165.69,20.47 C39.1 ; 165.69,20.47 U14.6
Board_0-Net-(U14-XTAL1/CLKIN): length 9.3
  Top w0.091: C17.1 165.06,26.35 165.06,26.17 ; 165.06,26.17 XO1.1 ; 165.06,26.17 XO1.1 ; XO1.1 165.16,25.9 165.16,23.7 166.19,22.67 U14.5
Board_0-Net-(U14-XTAL2): length 8.9
  Top w0.091: U14.4 166.69,22.66 167.86,23.83 167.86,25.6 167.82,25.64 167.82,26.41 C21.1
Board_0-VERF+: length 3
  Top w0.091: L10.1 42.3,9.3 v1(41.95,9.65) v1(41.5,9.65) ; v1(41.5,10.1) 41.45,10.05 C25.2
  Top w0.2: U2.M3 65.4,21.46 v1(65.43,21.44)
  Top w0.4: v1(68.85,20.05) 68.52,20.38 C68.2

## Copper pours and planes (outline as drawn; the poured copper is in the pictures)
Board_0-+3.3V on Top: 53.54,28.62 50.74,28.62 49.84,27.92 49.44,27.92 49.44,28.62 50.04,29.52 53.44,29.52 53.74,29.22 54.64,29.22 54.84,29.02 54.84,27.42 54.44,27.22
Board_0-+3.3V on Top: 73.54,31.92 85.34,31.92 85.34,29.52 73.54,29.52
Board_0-+3.3V on Top: 56.78,11.93 56.78,10.43 54.35,9.87 51.84,10.32 49.84,10.82 49.84,11.93
Board_0-+3.3V on Top: 55.54,24.32 54.74,24.32 54.74,26.02 55.54,26.02 56.54,23.72 56.34,23.52
Board_0-+3.3V on Bottom: 64.94,24.32 66.24,24.32 66.54,23.82 66.34,23.52 64.94,23.72
Board_0-+3.3V on Bottom: 63.6,15.85 63.5,16.05 63.75,16.65 64,16.7 64.4,16.25 65.05,16.25 64.9,15.65 64,15.65
Board_0-+3.3V on Bottom: 59.34,18.52 59.64,18.82 59.64,19.62 60.44,19.62 60.64,19.32 61.24,19.32 62.54,18.42 62.54,18.02 61.84,18.02 61.34,18.52 60.34,18.52 59.94,17.72 59.34,17.72
Board_0-+3.3V on Bottom: 58.54,21.62 56.54,22.12 56.54,23.12 57.34,23.62 57.94,23.02 58.34,23.02 58.64,23.62 59.94,24.72 60.94,25.22 61.14,24.92 60.54,24.12 60.04,24.02 59.44,23.52 59.24,23.02 59.24,20.82 58.54,20.82
Board_0-+3.3V on Bottom: 61.74,19.92 61.74,20.42 62.54,21.42 62.54,21.92 62.25,22.56 61.32,22.55 61.2,21.95 60.67,21.95 60.67,22.62 61.74,23.32 61.74,24.02 61.84,24.22 62.24,24.22 63.04,22.62 63.44,22.42 63.44,21.12 62.94,20.42 62.94,19.42 62.64,19.42
Board_0-+12V on Top: 51.68,16.83 51.68,15.68 49.08,14.23 45.46,14.23 44.76,16.03 43.76,16.03 43.76,16.62 44.76,16.62 44.75,17.22 43.75,17.23 43.76,18.42 45.14,18.42 46.06,16.23 49.78,16.23 49.78,16.83
Board_0-+12V on POWER.cu: 43.14,17.82 42.34,21.32 41.84,25.22 42.54,25.32 43.24,21.52 44.71,17.28 50.71,16.78 50.71,15.57 44.24,16.02 43.14,16.02
Board_0-+15 on Top: 83.94,25.82 85.24,25.82 86.44,26.12 87.04,26.12 87.54,25.12 87.64,24.52 85.04,24.32 83.94,24.32
Board_0-+15 on Top: 30.24,23.32 28.74,23.32 28.24,22.92 28.24,22.22 27.84,21.92 26.34,22.1 26.34,22.62 26.74,24.12 27.75,24.37 28.55,25.17 29.25,25.17 30.24,24.22
Board_0-+15 on Bottom: 27.75,24.37 30.24,28.72 34.14,33.02 178.64,33.02 182.96,29.13 182.96,26.83 181.14,26.83 176.64,30.52 124.14,30.02 118.14,24.22 86.14,24.22 86.14,27.22 84.94,30.52 37.05,30.52 35.85,30.27 34.95,29.77 32.05,27.17 29.35,23.97 28.05,24.07
Board_0-AVDD on Top: 33.1,12.25 33.65,12.25 34.15,11.55 34,11 33.8,10.85 33.1,10.85
Board_0-AVDD on Top: 19.44,21.22 19.94,20.72 19.94,19.72 19.84,19.62 13.84,19.42 12.24,19.42 12.24,20.42 16.04,20.82 18.14,21.42 18.14,24.42 19.34,24.42
Board_0-AVDD on Bottom: 23.25,16.37 30.95,13.27 34.2,11.6 33.9,10.9 33.4,10.8 31.35,11.6 29.35,12.07 23.14,12.62 18.04,20.92 18.14,21.42 19.34,21.42
Board_0-Net-(C14-Pad1) on Top: 39.05,12.9 40.7,12.9 41.65,12.35 43.85,11.9 43.85,11.3 42.75,10.4 41.85,10.4 41.3,11.5 39.05,12.1
Board_0-Net-(C89-Pad2) on Top: 76.04,26.22 73.54,26.22 73.54,27.92 79.14,27.92 80.04,27.02 80.74,27.02 80.74,25.42 79.54,25.42 79.34,25.62 78.44,25.62 77.94,24.92 77.29,24.92
Board_0-Net-(D2-A) on Top: 53.98,16.83 54.98,16.83 55.48,14.13 55.48,13.13 51.28,13.13 50.88,12.93 49.58,12.93 49.58,14.33
Board_0-Net-(J2-V+) on Bottom: 184.69,29.02 185.84,29.02 186,24.87 184.1,24.87
Board_0-Net-(U2-BOOT0) on Top: 56.54,17.72 56.84,18.02 58.64,17.52 59.54,18.42 60.14,18.42 60.14,18.12 59.64,18.12 58.84,17.32 58.24,16.62 57.94,16.32
Board_0-Net-(U2-VDDA) on Bottom: 62.84,23.74 63.44,23.74 63.84,23.22 64.04,23.02 65.14,22.82 65.94,22.82 65.93,22.12 63.54,22.12 63.54,22.52 63.14,22.72 62.84,23.32
Board_0-Net-(U2-VDDSMPS) on Top: 63.8,18.35 64.2,18.2 64.75,17.35 64.95,16.3 64.95,15.45 64.15,15.45 64.15,16.6 63.8,18 63.6,18.15
Board_0-Net-(U2-VDDSMPS) on Bottom: 64,18.3 64.9,17.75 64.9,17.2 64.75,16.4 64.4,16.4 63.95,17.2 63.75,18.05
Board_0-Net-(U2-VFBSMPS) on Top: 61.14,27.92 63.24,30.02 63.84,29.42 62.04,27.62 62.04,27.42 61.84,27.22
Board_0-Net-(U2-VFBSMPS) on Top: 52.84,19.62 54.94,21.72 55.64,21.02 55.34,20.72 55.14,20.72 53.44,19.02
Board_0-Net-(U2-VFBSMPS) on Top: 58.64,14.62 57.74,15.52 59.24,17.02 59.64,17.02 60.24,16.42 60.24,9.62 58.64,9.62
Board_0-Net-(U2-VFBSMPS) on POWER.cu: 62.26,27.23 59.8,26.66 58.3,26.74 56.56,26.13 55.29,25.44 55.3,25 56.63,19.93 58.54,18.02 60.14,18.52 60.74,19.32 62.84,19.42 63.54,18.22 63.24,17.92 61.74,18.02 59.74,15.52 59.24,15.52 54.35,20.34 54.24,22.72 53.54,24.52 54.28,26.27 57.54,28.44 60.02,28.48 61.98,28.61
Board_0-Net-(U2-VLXSMPS) on Top: 61.54,13.52 62.54,14.52 62.54,16.02 63.04,16.62 63.04,17.82 63.24,18.02 63.44,17.82 63.44,9.62 61.54,9.62
Board_0-Net-(U3-Vin) on Top: 27.24,19.15 26.6,18.12 25.94,18.12 24.34,18.42 24.34,19.12 26.14,19.42 26.34,21.07 27.4,21.07
Board_0-Net-(U3-Vout) on Top: 21.64,19.42 23.34,19.12 23.34,18.42 21.54,18.22 20.64,18.22 20.64,19.02 20.84,20.72 21.44,20.72
Board_0-Net-(U5-EN) on Top: 37.85,12.1 36,11.3 34.65,11.3 34.65,12.2 37.4,13.95 37.85,13.95
Board_0-Net-(U14-VDD1A) on Top: 175.03,21.22 176.73,21.22 176.73,20.42 175.93,19.02 175.03,19.02
Board_0-Net-(U14-VDD1A) on Top: 174.93,14.92 176.13,16.02 176.63,16.02 176.63,14.22 175.93,12.72 174.93,12.72
Board_0-Net-(U14-VDD1A) on In1.Cu: 187.1,19.82 188.7,19.82 188.7,17.42 187.1,17.42 185.7,18.62 184.24,18.62 176.66,9.73 176.26,9.73 172.46,12.13 168.34,12.12 168.34,21.62 184,21.62 184.6,21.12 185.9,21.12
Board_0-VERF+ on Top: 42.8,9.5 42.8,8.85 41.15,8.75 40.15,8.75 40.15,11.3 41.15,11.3 41.85,9.95
Board_0-VERF+ on Bottom: 66.44,20.22 66.14,20.47 65.69,20.47 65.14,21.42 65.44,21.72 66.34,21.22 66.74,20.62 67.24,20.22 67.24,19.62 66.44,19.62
Board_0-VERF+ on POWER.cu: 67.34,20.52 69.44,20.22 69.44,19.62 68.94,16.02 61.6,9.35 41.25,9.4 41.25,10.3 42.8,10.65 60.6,11.5 66.54,16.72 65.14,21.52 65.44,21.72
Board_0-+3.3V on POWER.cu: 25.7,33 28.9,29.8 32.1,33 113.7,33 116.9,29.8 120.1,33 198.2,33 199.36,30.53 202.01,29.86 202.03,11.14 199.37,10.47 198.2,8 120.1,8 116.9,11.2 113.7,8 32.1,8 28.9,11.2 25.7,8 8,8.1 8,33
Board_0-GND on Top, Bottom, GND.Cu, In1.Cu, In2.Cu: 25.7,33 28.9,29.8 32.1,33 113.7,33 116.9,29.8 120.1,33 198.2,33 199.36,30.53 202.01,29.86 202.03,11.14 199.37,10.47 198.2,8 120.1,8 116.9,11.2 113.7,8 32.1,8 28.9,11.2 25.7,8 8,8.1 8,33

## Text on the board
B.Mask: 05/2023 / v2.2.0
